# Allegro board RK3588_Template_LP4XD200P232SD8_41R0X41R0_2133MHz_H1R0_V10_20211230.brd (continued)
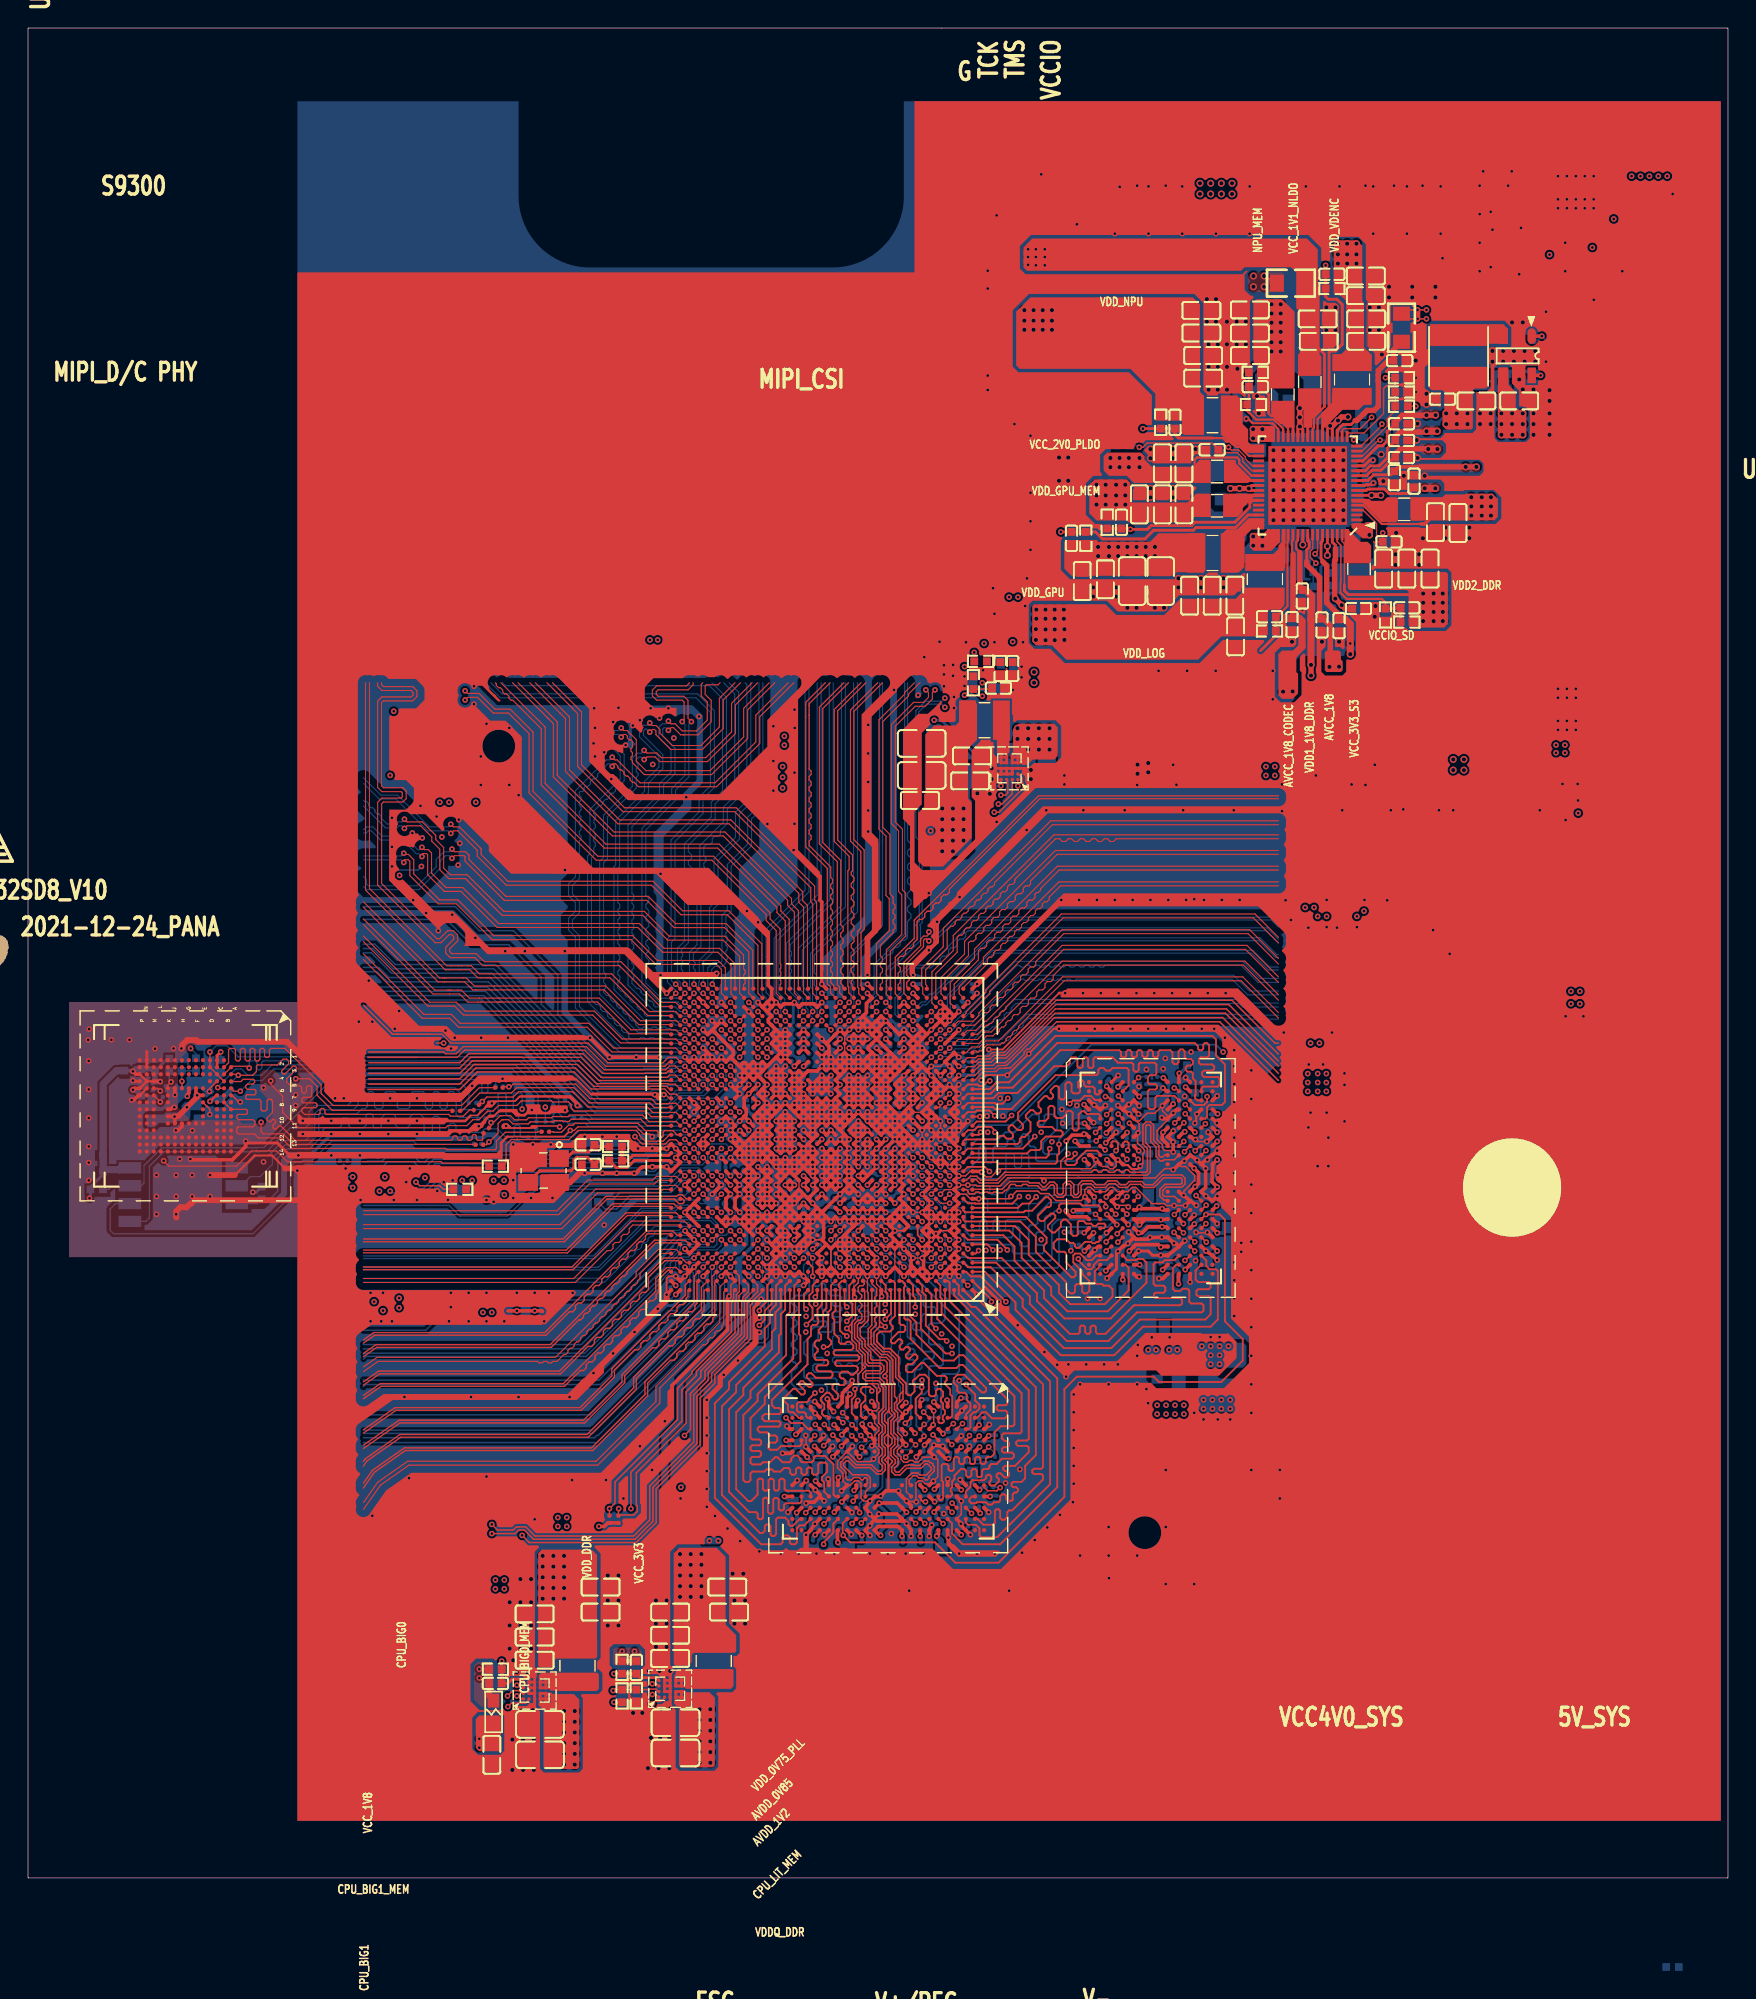
[diagram p0: board, top side]
## Routing (per net, layer and track width the routed paths; a pad name or vN(x,y) marks a point on that pad's centre or on a via; arc(x,y) is an arc through that point) (continued)
  L6-S2 w0.102: 54.75,26.92 54.61,26.92 53.44,28.09 ; 54.75,26.92 53.95,27.73 53.95,28.25 53.85,28.36 53.7,28.36 53.44,28.09 ; 54.75,26.92 55.14,26.92 v1(55.4,26.67) 55.7,26.37 55.7,25.83 55.88,25.65 56.9,25.65 57.05,25.81 57.05,26.47 v1(56.68,26.84) 56.68,26.99 v1(56.06,27.61) 55.99,27.69 55.11,27.69 54.76,28.03 v1(54.76,28.3) 54.76,28.85 55.37,29.46 ; 53.98,29.97 54.86,29.97 55.37,29.46 ; 53.98,29.97 53.87,29.97 53.42,29.51 53.26,29.51 53.16,29.62 53.16,30.66 53.34,30.84 ; 53.98,29.97 v1(53.72,30.23) 53.34,30.61 53.34,30.84 ; 81.08,58.34 v1(80.98,58.34) 80.8,58.52 72.24,58.52 v1(69.22,55.5) 69.06,55.35 68.08,55.35 68.05,55.32 ; 55.37,29.46 56.06,29.46 57.27,30.67 57.27,30.71 v1(57.28,30.72) 57.32,30.72 57.42,30.82 57.42,30.83 57.94,31.35 v1(57.94,31.55) 57.6,31.88 57.05,31.88 ; 68.73,31.24 68.73,30.5 ; 68.73,31.24 68.6,31.12 67.44,31.12 67.05,30.73 v1(67.03,30.73) 66.4,30.1 65.91,30.1 65.28,30.73 v1(65.12,30.73) ; 68.73,31.24 68.73,37.6 68.13,38.19 ; v1(75.92,55.03) 75.73,55.03 75.41,54.71 74.96,54.71 v1(74.68,54.99) 74.45,54.76 73.66,54.76 v1(73.61,54.71) ; 54.48,41.04 54.48,40.26 53.59,39.37 53.59,38.35 53.21,37.97 53.21,30.96 53.34,30.84 ; v1(75.87,53.77) 75.82,53.77 75.52,54.08 74.9,54.08 74.68,53.85 74.68,53.21 v1(73.91,52.45) 73.79,52.58 73,52.58 72.9,52.48 v1(72.9,52.41) 72.9,52.38 72.8,52.28 72.6,52.28 72.01,51.69 68.05,51.69 ; 68.13,38.19 68.13,33.71 67.06,32.64 67.06,32.31 67.13,32.31 67.54,31.9 68.07,31.9 v1(68.45,32.28) ; 68.13,38.19 65.4,40.93 ; 56.51,41.04 56.64,40.91 56.64,40.26 56.86,40.04 56.86,38.32 57.12,38.05 57.12,37.57 v1(56.9,37.34) 56.67,37.11 56.5,37.11 56.26,36.88 56.26,34.9 56.36,34.8 56.41,34.8 v1(56.49,34.72) 56.52,34.7 56.52,34.56 56.91,34.17 v1(56.91,34.1) 56.78,34.1 56.05,33.36 v1(56.05,33.08) 55.63,32.66 55.63,32.23 55.98,31.88 56.29,31.88 56.64,31.52 v1(56.64,31.5) 56.67,31.5 57.05,31.88 ; 63.99,41.04 64.58,40.45 65.01,40.45 67.18,38.28 67.18,33.91 66.54,33.27 v1(66.48,33.27) ; 57.05,31.88 57.05,32.79 57.35,33.1 v1(57.35,33.2) 57.45,33.2 57.79,33.53 57.79,41.01 57.81,41.04 ; 82.45,59.16 71.73,59.16 v1(69.72,57.15) 68.61,56.03 68.05,56.03 ; 53.44,28.09 52.81,28.09 52.45,28.45 52.45,38.1 52.83,38.48 52.83,39.62 53.59,40.39 53.59,41.04 ; 66.8,45.85 71.03,45.85 71.14,45.96 71.63,45.47 72.11,45.47 v1(72.14,45.44) 72.16,45.47 72.77,45.47 73.05,45.19 73.61,45.19 74.14,44.65 v1(74.24,44.65) 74.57,44.98 75.67,44.98 v1(75.95,44.7) ; 73.66,54.28 v1(73.66,53.72) 73.61,53.77 72.82,53.77 v1(72.14,53.09) 72.14,52.73 71.81,52.41 68.05,52.41 ; 68.05,42.18 68.2,42.04 69.72,42.04 70.66,41.1 75.29,41.1 v1(75.44,41.25) v1(76.33,41.25) 80.87,41.25 81.41,41.78 81.41,42.29 81.79,42.67 81.79,44.2 81.91,44.32 82.78,44.32 83.13,43.97 v1(83.13,43.95) 83.81,44.63 v1(83.86,44.63) 83.44,45.05 83.44,45.68 v1(83.17,45.95) 82.94,45.95 v1(82.35,45.36) 82.25,45.36 82.23,45.34 81.75,45.34 v1(81.59,45.18) 81.15,44.75 81.15,43.05 80.77,42.67 v1(80.52,42.67) 79.86,42.01 75.72,42.01 75.44,42.29 70.36,42.29 69.93,42.72 68.56,42.72 68.05,43.22 ; v1(70.61,29.08) 70.61,39.24 70.51,39.34 v1(70.46,39.34) 70.48,39.37 70.61,39.37 70.99,39.75 81.79,39.75 84.58,42.54 85.12,42.54 ; 68.05,46.73 73.41,46.73 73.79,46.36 v1(73.79,45.97) 74.69,45.97 75.07,45.59 75.53,45.59 v1(75.86,45.93) ; v1(66.37,28.35) 66.78,27.95 66.78,27.05 66.55,26.83 v1(66.45,26.83) 66.22,27.05 65.53,27.05 65.2,26.72 v1(65.2,25.93) 65.2,25.86 65.41,25.65 65.91,25.65 66.17,25.91 66.6,25.91 67.39,26.7 67.39,27.76 67.79,28.16 68.42,28.16 69.34,29.08 69.34,38.49 66.78,41.04 ; v1(83.21,54.38) 83.31,54.48 83.31,57.56 ; v1(82.8,58.8) 82.8,58.45
  L6-S2 w0.104: 49.35,40.88 49.51,41.04 ; 38.1,41.66 38.11,41.65 v1(38.77,41.65) ; v1(110.33,77.88) v1(109.25,77.88) ; 46.1,38.73 48.39,41.02 48.51,41.02 48.53,41.04 ; 11.18,59.31 11.37,59.5 11.76,59.5 12.85,58.42 14.91,58.42 15.12,58.63 16.13,58.63 17.73,57.03 17.73,56.33 17.46,56.06 17.08,56.06 16.88,56.26 v1(16.76,56.26) 16.82,56.31 16.82,57.11 15.89,58.04 15.37,58.04 15.11,57.78 12.18,57.78 v1(10.92,59.05) ; 30.11,59.06 30.11,59.56 v1(30.38,59.82) ; v1(85.88,42.54) v1(85.88,43.81) v1(85.88,47.62) v1(85.88,48.89) v1(85.88,50.16) v1(85.88,51.43) v1(85.88,52.7) v1(85.88,53.97) v1(85.88,55.24) v1(85.88,56.51) v1(85.88,57.78) v1(85.88,58.93) 85.85,58.93 85.22,59.56 v1(85.22,59.82) 84.96,59.82 84.45,60.33 v1(84.45,60.45) v1(83.57,60.45) v1(82.3,60.45) v1(81.03,60.45) v1(79.76,60.45) v1(78.49,60.45) v1(77.22,60.45) v1(75.95,60.45) v1(74.68,60.45) v1(73.41,60.45) 71.53,60.45 71.4,60.33 ; v1(85.88,42.54) 85.12,42.54 ; v1(85.88,42.54) v1(85.88,41.27) v1(85.88,40) ; v2(87.63,104.27) 88.52,104.27 88.9,104.65 ; 23.88,65.64 33.38,65.64 33.72,65.98 v1(33.97,65.98) v1(35.37,65.98) v1(38.21,65.98) 38.4,65.79 47.63,65.79 v1(49.02,64.39) ; 23.88,55.5 25.02,56.64 30.35,56.64 30.61,56.39 v1(31.62,56.39) 33.27,56.39 v1(33.78,56.9) 34.04,57.15 42.16,57.15 43.55,55.76 v1(44.62,55.76) ; 83.31,57.56 83.31,58.04 82.85,58.5 ; 71.37,60.33 71.1,60.33 69.36,58.59 69.36,58.58 68.8,58.02 68.79,58.02 68.23,57.46 68.2,57.46 68.05,57.32 ; 46.23,39.88 47.39,41.04 ; 70.61,26.67 v1(70.61,29.08) ; v1(37.21,52.22) v1(35.94,52.22) v1(34.54,52.22) ; 36.7,17.65 37.85,16.51 ; v1(24.51,60.96) 23.88,60.96
  L6-S2 w0.127: 44.96,40.64 45.31,40.64 45.91,40.64 46.09,40.82 46.28,40.82 47.65,42.18 47.65,42.32 47.65,42.33 47.65,42.42 v1(48.06,42.83)
  L6-S2 w0.254: 51.94,41.69 51.77,41.52 51.77,40.92 50.74,39.89 50.74,39.86 50.55,39.67 v1(50.55,36.83) 50.55,33.24 50.67,33.12 ; v1(58.46,45.43) v1(58.46,44.78) 58.46,44.78 v1(58.46,44.13) v1(58.46,43.48) 58.46,42.83 v1(58.46,42.83) ; v1(46.76,49.33) 46.71,49.28
  L6-S2 w0.305: v1(53.59,23.09) 53.59,23.8 53.61,23.81 53.61,24.24 50.67,27.18 50.67,33.12
  L6-S2 w0.406: 23.88,33.4 36.07,33.4 36.9,34.23 v1(38.55,34.23) 41.47,34.23 45.97,38.73 46.1,38.73 ; 23.88,63.63 24,63.63 v1(24.26,63.88) 24.51,64.14 44.9,64.14 v1(45.03,64.26) ; v1(54.57,83.17) 54.47,83.27 v1(45.59,83.27) v1(44.32,83.27) ; v1(34.8,41.66) v1(36.07,41.66) v1(37.08,41.66) 38.99,41.66 44.2,46.86 45.59,46.86 46.11,47.38 v1(46.76,47.38) ; v1(32.64,41.66) v1(31.37,41.66) ; v1(44.96,58.43) 44.91,58.48 44.88,58.48 43.54,59.82 v1(40.01,59.82) v1(34.16,59.82) v1(32.26,59.82) 31.12,59.82 30.61,59.31 30.36,59.31 30.11,59.06 v1(30.11,59.04) 29.75,58.68 23.88,58.68 ; 23.88,57.91 30.86,57.91 31.38,58.43 v1(41.4,58.43) v1(43.31,58.43) ; 46.71,49.28 42.8,49.28 v1(41.91,50.17) v1(40.89,50.17) v1(39.62,50.17) ; 28.83,41.66 29.97,42.8 38.86,42.8 43.31,47.24 ; 30.07,41.66 v1(30.1,41.66) ; 33.4,46.36 33.4,46.36 ; v1(29.72,60.32) 30.35,60.96 43.63,60.96 46.04,58.55 ; 23.88,32.39 40.85,32.39 49.35,40.88 ; 44.96,40.64 v1(44.83,40.51) v1(43.18,38.86) v1(41.66,37.34) v1(40.26,35.94) 40.13,35.81 23.88,35.81 ; 23.88,34.23 26.74,34.23 26.75,34.24 v1(26.8,34.24) 26.85,34.24 26.85,34.23 v1(31.54,34.23) v1(34.92,34.23) 35.74,35.05 40.8,35.05 40.93,35.18 41.02,35.18 45.72,39.88 46.23,39.88 ; 23.88,36.7 39.85,36.7 44.55,41.4 45.34,41.4 v1(45.46,41.53) ; 34.19,45.36 33.93,45.11 23.88,45.11 ; 31.5,85.09 v1(31.75,84.84) 33.31,83.27 v1(40.31,83.27)
  BOTTOM w0.089: 46.2,48.26 47.62,48.26 47.88,48.01 C1810.2 48.68,48.64 v1(48.72,48.68) ; 50.62,46.83 50.67,46.79 v1(50.67,46.73) 51.01,46.38 51.03,46.38 51.06,46.35 C1814.2 51.07,46.35 51.07,45.72 C1802.2 ; v1(61.06,46.73) 60.88,46.54 C1201.2 60.6,46.54 v1(60.41,46.73) 60.27,46.73 C1208.2 59.91,46.73 v1(59.76,46.73) 59.58,46.54 C1205.2 59.26,46.73 v1(59.11,46.73) 58.97,46.73 C1204.2 58.61,46.73 v1(58.46,46.73) ; C1818.2 50.29,47.76 50.29,47.75 50.29,47.63 50.34,47.58 50.34,47.05 v1(50.02,46.73) 50.01,46.72 C1806.2 ; v1(50.02,52.58) 49.84,52.75 C1300.2 ; v1(64.96,42.83) 64.64,43.15 64.64,44.26 64.31,44.59 v1(64.31,44.78) v1(63.66,44.78) ; v1(62.36,45.43) 62.52,45.43 62.85,45.1 63.23,45.1 63.55,44.78 v1(63.66,44.78) ; 60.09,45.09 60.27,45.09 60.28,45.1 60.55,45.1 60.56,45.09 60.66,45.09 60.97,44.78 v1(61.06,44.78) ; 60.09,45.09 60.09,45.8 ; 60.09,45.09 60.02,45.02 60,45.02 v1(59.76,44.78) v1(60.41,44.13) ; 63.27,50.34 63.27,50.18 63.34,50.11 63.34,49.84 63.53,49.65 63.55,49.65 63.55,49.65 63.86,49.65 64.18,49.33 v1(64.31,49.33) ; v1(46.76,49.33) 46.49,49.05 C1100.2 ; C1502.2 55.56,45.77 v1(55.87,46.08) 55.54,46.41 C1907.2 ; v1(55.21,42.83) 55.21,43.61 55.54,43.93 55.54,44.26 55.55,44.27 55.55,44.45 55.73,44.45 55.73,44.45 56,44.45 56,44.45 56.19,44.45 v1(56.51,44.13) ; C1206.2 62.36,48.54 v1(62.36,48.68) ; v1(57.81,42.83) 57.68,42.83 57.48,43.03 57.48,44.44 v1(57.81,44.78) v1(57.81,45.43) ; v1(47.41,43.48) 47.55,43.34 47.55,42.49 47.79,42.25 47.79,41.18 47.65,41.04 ; v1(64.31,49.98) 64.18,50.11 64.04,50.11 63.85,50.3 63.53,50.3 63.49,50.34 63.37,50.34 ; 48.39,41.34 48.39,42.5 v1(48.06,42.83) ; 64.14,45.61 v1(64.31,45.43) ; 57.4,63.63 57.4,63.63 ; v1(63.66,44.78) v1(63.66,44.13) 63.99,43.8 65.29,43.8 v1(66.26,42.83) ; R1719.2 67.19,63.63 v1(67.56,63.63) ; C1512.2 57.91,62.92 ; v1(47.41,45.43) 47.38,45.47 47.08,45.47 47.06,45.48 46.47,45.48 46.45,45.47 46.36,45.47 45.72,44.83 45.72,44.8 45.12,44.2 ; v1(53.92,55.18) v1(54.57,55.18) ; v1(61.06,49.98) 60.38,49.98 C1215.2 ; v1(46.78,46.07) 46.69,45.97 46.47,45.97 46.41,45.92 45.75,45.92 45.24,45.4 ; v1(64.31,46.73) 64.24,46.73 63.67,47.3 v1(63.67,47.38) ; v1(51.97,51.93) 52.07,52.03 C1029.2 ; 56.41,53.88 v1(56.52,53.88) ; v1(58.46,44.13) 58.6,43.99 58.68,43.99 58.98,43.69 58.98,43.61 v1(59.11,43.48) ; v1(53.27,55.18) v1(52.62,55.18)
  BOTTOM w0.102: v1(59.97,33.17) 59.97,33.02 59.39,32.44 v1(59.39,32.31) 59.39,32.05 v1(59.94,31.5) 59.47,31.04 59.21,31.04 58.89,30.72 v1(58.69,30.72)
  BOTTOM w0.104: v1(31.75,83.57) 32.26,83.57 32.39,83.69 ; 48.39,41.34 48.52,41.21 48.52,40.83 48.39,40.7 ; v1(35.87,54.67) 35.87,55.7 34.28,57.29 20.2,57.29 19.18,56.26 17.66,56.26 17.46,56.06 16.82,56.06 16.26,55.5 15.37,55.5 v1(15.11,55.25) ; 32.19,45.97 32.06,46.1 23.88,46.1 ; 23.88,46.61 34.49,46.61 35.12,45.97 ; v1(25.91,72.01) 26.16,71.75 27.75,71.75 v1(28.01,72.01) ; 41.15,40.62 41.54,40.62 45.12,44.2 ; v1(37.21,52.22) 37.45,52.45 39.3,52.45 v1(39.62,52.77) ; 64.14,81.92 64.14,82.82 64.28,82.96 64.8,82.96 65.07,82.69 65.55,82.69 65.93,83.08 v1(65.93,83.29) ; 45.85,39.5 46.11,39.5 47.65,41.04 ; 39.81,49.78 35.31,49.78 34.8,49.28 33.15,49.28 33.15,49.28 32.99,49.28 32.99,49.28 30.61,49.28 v1(30.23,49.66) ; v1(4.32,49.66) 4.45,49.78 C4300.2 4.45,50.8 v1(4.32,50.93) 4.45,51.05 C4301.2 4.45,51.94 v1(4.32,52.07) ; C2317.2 73.09,77.79 v1(73.79,78.49) ; v1(33.91,39.62) v1(32.64,39.62) v1(31.37,39.62) v1(29.97,39.62) ; 91.82,95.83 91.69,95.83 ; v1(10.45,55.75) 10.45,55.75 10.28,55.75 C4005.2 ; v1(63.01,64.28) 63.35,64.28 R1406.2
  BOTTOM w0.127: v1(55.22,42.18) v1(55.22,42.83)
  BOTTOM w0.152: v1(45.46,41.53) 45.34,41.65 45.34,42.16 R1801.2
  BOTTOM w0.203: 61.66,67.5 59.56,65.41 59.56,64.48 ; v1(54.57,62.33) 54.48,62.25 54.48,60.89 C1605.2 ; 59.56,64.48 v1(59.76,64.28) ; 59.56,64.48 59.56,64.33 59.51,64.28 ; 33.4,51.85 28.48,51.85 28.16,51.52 ; 33.4,51.85 34.18,51.85 v1(34.54,52.22) ; 33.4,51.85 33.4,52.7 33.15,52.95 32.65,52.95 32.42,52.72 32.4,52.72 32.38,52.7 27.95,52.7 v1(27.69,52.96) v1(25.65,52.96) v1(23.62,52.96) v1(21.59,52.96) 20.07,51.44 19.45,51.44 19.45,51.44 v1(19.24,51.44) ; 28.16,51.52 27.87,51.52 27.29,52.1 24.29,52.1 v1(23.62,51.44) 23.18,51.88 22.03,51.88 v1(21.59,51.44) 21.08,51.44 20.39,50.74 19.86,50.74 19.6,50.48 19.29,50.48 v1(19.17,50.36) ; 28.16,51.52 28.07,51.44 ; v1(56.52,62.33) 56.68,62.16 C1512.2 ; 57.4,63.63 v1(56.52,63.63)
  BOTTOM w0.254: v1(10.92,59.05) 10.94,59.07 ; 10.94,59.07 R4004.2 ; 10.94,59.07 10.84,59.17 10.48,59.17 v1(10.36,59.05) ; C3814.2 75.94,51.06 v1(76.02,51.13) ; C3855.2 62.51,26.86 v1(62.55,26.83) ; C3855.2 61.03,26.86 v1(60.71,27.18) ; C3855.2 61.47,27.05 v1(61.98,27.56) ; C1213.2 58.29,49.6 58.29,49.08 C1227.2 ; R1405.2 59.51,64.28 v1(59.76,64.28) ; v1(56.51,44.13) v1(56.51,43.48) v1(56.51,42.83) ; C1410.2 62.16,60.58 v1(62.36,60.38) 61.93,59.94 C1408.2 ; v1(64.34,25.12) 64.34,25.32 64.16,25.5 C3874.2 ; C3876.2 55.37,24.4 v1(55.4,24.43) ; v1(66.26,61.68) 66.26,61.91 66.12,62.05 ; v1(58.46,58.43) 58.49,58.43 C1407.2 58.8,58.69 59.07,58.43 v1(59.11,58.43) 59.12,58.43 C1406.2 ; C3825.2 v1(79.88,45.59) ; C3833.2 75.82,45.89 v1(75.86,45.93) ; v1(62.87,24.33) 62.81,24.27 C3865.2 ; v1(63.01,57.13) 63.19,56.95 C1738.2 C1729.2 63.19,56 v1(63.01,55.82) 63.19,55.65 C1714.2 63.19,55.35 v1(63.01,55.17) 62.82,54.98 C1301.2 ; C3831.2 76.35,42.78 76.73,42.78 v1(76.82,42.69) ; v1(66.41,25.21) 66.24,25.21 66.04,25.02 ; v1(58.46,44.78) v1(59.11,44.78) v1(59.76,44.78) ; v1(58.46,44.78) v1(57.81,44.78) v1(57.81,45.43) ; v1(58.46,44.78) v1(58.46,45.43) v1(57.81,45.43) ; v1(58.46,44.78) 58.46,44.78 v1(58.46,44.13) ; C3859.2 61.98,32.64 v1(62.51,33.17) ; C3821.2 79.83,46.91 C3807.2 79.17,46.89 79.17,46.53 v1(79.14,46.5) ; C3813.2 81.41,57.66 80.87,57.66 v1(80.82,57.61) ; v1(57.16,53.88) 56.98,54.06 C1041.2 56.7,54.06 v1(56.52,53.88) ; C3847.2 64.26,30.35 ; 64.26,30.35 64.26,30.22 v1(64.52,29.95) 64.58,29.89 C3854.2 64.58,28.57 64.46,28.45 v1(64.46,28.25) 64.16,28.25 C3861.2 ; 64.26,30.35 64.26,30.57 64.49,30.8 v1(64.49,30.81) ; 58.25,31.15 57.94,31.47 ; 57.94,31.47 v1(58.69,30.72) 58.54,30.58 C3850.2 ; 57.94,31.47 v1(57.94,31.55) ; C3848.2 64.67,35.18 v1(64.64,35.2) ; v1(65.53,24.23) 65.41,24.35 65.41,24.38 65.3,24.49 C3853.2 ; v1(56.7,24.43) 56.78,24.51 57.15,24.51 ; v1(55.37,30.7) 55.34,30.73 C3885.2 ; C1212.2 61.31,48.44 v1(61.06,48.68) 60.74,48.35 C1229.2 60.44,48.66 v1(60.41,48.68) ; C3817.2 77.34,50.88 v1(77.59,51.13) ; v1(66.37,28.35) 66.21,28.19 C3887.2 65.67,28.19 v1(65.47,28.39) ; v1(64.26,74.55) 64.39,74.42 64.39,70.36 v1(64.14,70.1) ; v1(45.47,62.98) 45.03,63.41 v1(45.03,64.26) 45.03,64.32 ; v1(59.11,42.83) v1(59.11,43.48) ; v1(61.06,46.73) 61.27,46.52 C1207.2 61.72,46.09 v1(61.71,46.08) v1(62.36,45.43) ; v1(47.42,58.43) v1(46.77,58.43) v1(44.96,58.43) ; v1(68.4,26.03) 68.23,26.2 C3875.2 68.7,26.44 C3867.2 ; C3864.2 59.86,24.3 v1(59.94,24.38) ; v1(65.61,57.78) v1(66.26,58.43) 66.54,58.43 R1730.2 ; v1(65.61,57.78) 65.79,57.6 C1741.2 65.79,57.31 v1(65.61,57.13) ; v1(65.61,57.78) 65.59,57.78 65.54,57.83 64.37,57.83 v1(64.31,57.78) 64.49,57.6 C1731.2 64.49,57.31 v1(64.31,57.13) 64.49,56.95 C1732.2 64.49,56.66 v1(64.31,56.48) 64.49,56.3 C1716.2 64.64,56.15 v1(64.97,55.83) 64.87,55.83 C1717.2 ; 60.22,30.25 60.22,29.84 v1(60.2,29.82) 59.59,29.21 C3856.2 ; 60.22,30.25 C3868.2 ; 60.22,30.25 60.22,30.61 v1(60.07,30.76) ; v1(59.11,60.38) 59.26,60.53 C1404.2 ; C3880.2 56.78,30.23 v1(57.28,30.72) ; R1401.2 63.66,59.27 v1(63.66,59.08) 63.58,59.08 63.12,58.62 C1742.2 62.55,58.62 v1(62.36,58.43) 62.23,58.43 62.03,58.63 R1400.2 ; v1(41.02,46.48) 41.47,46.48 43.25,48.26 46.2,48.26 ; C3820.2 75.35,48.09 75.35,48.39 v1(75.25,48.49) ; v1(84.68,48.54) 84.69,48.54 85.07,48.54 C3823.2 ; v1(80.64,46.86) 81.07,46.86 C3805.2 ; C3869.2 68.88,28.83 v1(69.6,28.12) ; v1(54.1,26.03) 53.63,25.56 C3870.2 ; C1404.2 59.11,60.85 v1(59.11,61.03) ; C1404.2 59.62,60.53 v1(59.76,60.38) 59.93,60.54 C1400.2 ; C1605.2 54.27,60.68 54.27,60.68 53.96,60.38 v1(53.92,60.38) ; C3806.2 v1(73.66,53.72) ; C3878.2 68.45,32.64 v1(68.45,32.28) 68.7,32.02 C3863.2 ; v1(65.61,56.48) 65.4,56.26 C1740.2 ; C3849.2 58.55,25.91 v1(58.66,26.02) ; v1(80.64,44.32) 80.72,44.4 81.13,44.4 C3836.2 ; C3832.2 81.79,44.98 v1(81.59,45.18) ; C3884.2 66.17,31.75 v1(66.45,31.48) ; v1(55.87,49.33) 56.04,49.5 C1023.2 56.04,49.8 v1(55.87,49.98) ; C3882.2 66.48,33.32 v1(66.48,33.27) ; v1(60.41,44.13) v1(60.41,43.48) v1(60.41,42.83) v1(59.76,42.83) ; v1(83.03,47.19) 83.2,47.37 C3838.2 ; v1(74.24,44.65) 74.3,44.71 C3839.2 ; v1(63.37,84.2) 63.37,84.84 63.63,85.09 ; C3886.2 55.72,33.08 v1(56.05,33.08) ; C3872.2 66.61,30.16 67.03,30.58 v1(67.03,30.73) ; v1(61.06,56.48) 61.04,56.48 60.99,56.53 ; 64.14,45.61 64.14,46.55 v1(64.31,46.73) ; C1227.2 58.4,48.68 v1(57.81,48.68) ; C1227.2 58.74,48.64 59.11,48.64 ; C3857.2 54.76,27.91 v1(54.76,28.3) 54.8,28.33 C3871.2 54.23,29.78 C3860.2 53.72,30.23 v1(53.72,30.23) ; C3877.2 55.63,27.18 v1(56.06,27.61) 56.24,27.44 C3879.2 ; v1(57.81,45.43) 58.26,45.87 C1219.2 ; C3866.2 65.15,30.69 v1(65.12,30.73) ; v1(64.17,24.33) 64.08,24.24 C3862.2 ; v1(55.21,42.83) v1(53.92,42.83) ; C1403.2 60.11,58.74 60.41,58.44 v1(60.41,58.43) ; C3852.2 58.31,34.61 58.36,34.61 v1(58.52,34.44) ; v1(39.12,54.99) 39.07,54.99 39.07,55.13 38.36,55.83 38.32,55.83 38.2,55.95 38.17,55.95 35.08,59.04 33.67,59.04 ; C1613.2 C1611.2 56.29,59.95 v1(56.52,59.73) 56.49,59.73 C1602.2 56.06,58.74 C1609.2 56.38,58.43 v1(56.52,58.43) ; v1(56.68,26.84) 56.95,26.57 C3881.2 ; C3858.2 58.3,27.93 v1(57.92,27.55) ; C3804.2 v1(73.79,45.97) ; C3822.2 82.42,42.74 v1(82.74,42.42) ; v1(82.42,56.98) 82.89,56.98 C3827.2 ; v1(55.22,42.18) 54.34,42.18 ; C1505.2 66.51,56.48 v1(66.26,56.48)
  BOTTOM w0.305: C3816.2 81,54.13 v1(80.72,54.13)
  BOTTOM w0.381: v1(59.11,48.68) 59.11,48.64 59.27,48.79 59.84,48.79 C1226.2 60.27,48.82 v1(60.41,48.68) ; v1(7.47,56.77) 7.54,56.69 C4003.2 ; v1(7.37,55.38) 7.96,54.79 C4002.2 ; C4001.2 v1(9.04,59.04) ; v1(12.94,54.35) 12.62,54.03 C4006.2
  BOTTOM w0.406: 23.88,32.39 40.08,32.39 48.39,40.7 ; 47.75,82.68 47.73,82.68 47.13,83.27 v1(45.59,83.27) ; 47.75,82.68 47.75,82.69 v1(47.77,82.69) ; 47.75,82.68 47.83,82.59 47.83,78.06 46.86,77.09 v1(46.86,76.94) 46.86,76.2 45.03,74.37 v1(45.03,71.49) 45.03,64.32 ; v1(35.81,48.41) 35.81,48.26 34.29,46.73 30.35,46.73 29.72,47.37 23.88,47.37 ; U4300.4 16.26,46.74 18.22,48.7 18.22,50.23 18.23,50.23 18.23,51.03 18.63,51.44 v1(19.24,51.44) ; v1(44.83,40.51) 44.54,40.51 44.33,40.72 43.9,40.72 39.88,36.7 24.51,36.7 23.88,36.07 ; v1(19.17,50.36) 19.17,49.7 19.12,49.65 19.12,49.15 19.17,49.11 19.17,48.38 16.2,45.41 6.21,45.41 ; v1(30.66,75.34) 30.66,78.43 28.52,80.58 28.52,80.08 26.29,77.85 25.53,77.85 23.88,79.5 ; 34.91,39.62 v1(36.75,39.62) 40.15,39.62 41.15,40.62 ; 23.88,45.04 39.58,45.04 v1(41.02,46.48) ; v1(34.54,48.41) 33.66,47.52 31.09,47.52 30.35,48.26 v1(29.89,48.26) v1(27.69,48.26) v1(26.04,48.26) 23.88,48.26 ; v1(35.37,65.98) 34.42,66.93 v1(31.85,66.93) v1(30.2,68.58) 30.09,68.69 v1(28.34,68.69) 23.88,68.69 ; 23.88,34.23 26.74,34.23 26.75,34.24 v1(26.8,34.24) 26.85,34.24 26.85,34.23 v1(31.54,34.23) v1(34.92,34.23) v1(38.55,34.23) 40.58,34.23 45.85,39.5 ; 23.88,41.66 v1(24.38,41.66) v1(25.27,41.66) ; v1(33.97,65.98) 31.39,65.98 29.86,67.51 29.28,67.51 v1(29.21,67.44) 28.87,67.77 23.88,67.77 ; v1(51.97,62.33) 51.97,62.46 51.51,62.92 51.51,67.57 54.57,70.63 v1(54.57,75.05) v1(54.57,78.69) v1(54.57,83.17) 54.57,85.09 ; v1(29.97,39.62) 28.83,38.48 23.88,38.48 ; v1(31.37,41.66) v1(32.64,41.66) v1(34.8,41.66) v1(36.07,41.66) v1(37.08,41.66) 41.27,41.66 41.28,41.66 41.5,41.66 45.24,45.4 ; 57.15,64.14 57.15,65.53 59.82,68.2 v1(59.82,74.5) v1(59.82,75.99) v1(59.82,78.03) v1(59.82,80.06) ; 53.07,85.09 v1(53.07,81.99) v1(53.07,79.52) v1(53.07,77.41) 53.07,75.89 52.64,75.47 v1(52.64,75.04) 52.64,70.3 v1(51.18,68.83) 50.55,68.2 50.55,64.14 49.37,62.95 v1(49.37,62.33) ; v1(85.22,59.82) 85.59,60.19 89.03,60.19 ; v1(44.96,58.43) v1(43.31,58.43) v1(41.4,58.43) 41.39,58.43 38.21,61.61 v1(38.21,65.98) 36.2,68 36.2,72.85 35.55,73.5 31.66,69.61 v1(27.42,69.61) 23.88,69.61 ; 61.66,85.09 v1(61.66,84.58) 61.66,67.5 ; v1(31.75,84.84) 32.07,84.52 32.07,84.01 32.39,83.69 32.89,83.69 33.31,83.27 v1(40.31,83.27) v1(44.32,83.27) ; 33.67,59.04 v1(30.11,59.04) 29.95,59.04 29.81,58.91 17.04,58.91 16,59.94 9.94,59.94 v1(9.04,59.04)
  vias: v1(4.35,60.43) v1(4.28,59.66) v1(4.32,58.17) v1(4.32,56.13) v1(4.32,54.1) v1(5.93,59.66) v1(7.22,59.66) v1(9.14,50.04) v1(9.14,48.51) v1(9.14,47.24) v1(10.54,50.04) v1(10.54,48.51) v1(10.54,47.24) v1(10.8,51.18) v1(11.7,53.21) v1(11.68,50.04) v1(11.68,48.51) v1(12.95,48.51) v1(16.76,50.98) v1(19.05,55.75) v1(19.05,54.99) v1(19.56,53.91) v1(23.55,60.96) v1(23.67,48.26) v1(25.91,75.47) v1(25.91,73.41) v1(26.92,49.54) v1(27.12,28.46) v1(27.36,74.39) v1(27.94,76.33) v1(28.07,74.04) v1(29.08,75.56) v1(29.13,48.91) v1(29.46,74.11) v1(29.59,49.53) v1(30.1,40.64) v1(30.62,72.11) v1(30.73,73.66) v1(32.23,79.84) v1(32.23,77.81) v1(32.64,82.17) v1(33.15,48.13) v1(34.26,81.87) v1(34.26,77.81) v1(36.07,25.53) v1(38.23,71.75) v1(40.36,81.87) v1(40.36,79.84) v1(42.04,83.31) v1(42.39,27.01) v1(43.05,82.04) v1(44.42,29.04) v1(44.96,82.58) v1(46.46,27.01) v1(51.32,51.28) v1(51.97,47.38) v1(52.07,39.88) v1(53.92,44.78) v1(54.58,81.87) v1(55.21,46.73) v1(55.39,39.98) v1(55.37,38.86) v1(56.52,57.78) v1(57.16,58.43) v1(58.29,40.13) v1(61.06,57.78) v1(61.03,40.33) v1(61.47,24.51) v1(61.71,53.88) v1(62.74,20.45) v1(63.17,40.13) v1(63.65,35.43) v1(63.81,86.92) v1(64.9,88.01) v1(65.05,38.73) v1(65.21,86.33) v1(65.21,85.68) v1(65.79,37.85) v1(66.29,35.41) v1(66.67,85.54) v1(66.68,84.86) v1(66.78,87.97) v1(67.99,85.98) v1(68.2,44.68) v1(68.33,113.16) v1(68.33,106.96) v1(68.33,105.93) v1(68.27,54.25) v1(68.33,53.09) v1(68.81,90) v1(68.81,87.97) v1(68.96,118.36) v1(69.41,54.24) v1(69.85,20.45) v1(70.1,84.58) v1(70.23,103.5) v1(70.74,86.23) v1(70.74,85.47) v1(70.84,87.97) v1(70.99,90.55) v1(71.12,92.52) v1(71.22,48.49) v1(72.14,121.28) v1(73.79,77.85) v1(74.9,35.14) v1(74.9,22.95) v1(76.94,35.14) v1(76.94,24.98) v1(76.94,22.95) v1(76.96,21.34) v1(77.38,117.06) v1(77.72,120.4) v1(78.97,120.48) v1(78.97,77.81) v1(78.97,37.17) v1(78.97,35.14) v1(78.97,22.95) v1(79.63,57.56) v1(79.63,34.8) v1(79.75,33.8) v1(79.78,120.43) v1(79.78,117.06) v1(80.49,85.94) v1(81,120.48) v1(81,29.04) v1(81,24.98) v1(81,20.91) v1(81.53,79.25) v1(82.18,120.43) v1(82.18,117.06) v1(82.35,55.65) v1(82.52,85.94) v1(83.03,69.68) v1(83.03,33.11) v1(83.03,20.91) v1(83.69,32.64) v1(84.56,85.94) v1(84.58,117.06) v1(84.71,32.64) v1(85.6,32.64) v1(86.38,45.21) v1(86.38,44.58) v1(86.98,120.43) v1(86.98,117.06) v1(87.1,57.49) v1(87.1,55.46) v1(87.1,49.36) v1(87.1,47.33) v1(87.1,45.3) v1(87.1,43.27) v1(87.1,41.23) v1(87.1,39.2) v1(87.1,37.17) v1(87.1,35.14) v1(87.1,33.11) v1(87.1,29.04) v1(88.62,85.94) v1(88.62,83.91) v1(89.13,29.04) v1(89.13,27.01) v1(89.28,77.85) v1(89.28,75.95) v1(89.41,60.19) v1(89.53,69.6) v1(89.92,68.2) v1(90.98,120.43) v1(91.16,67.65) v1(91.16,53.43) v1(91.19,57.91) v1(91.31,54.48) v1(91.69,78.49) v1(91.82,50.67) v1(92.2,57.91) v1(92.46,69.63) v1(92.46,67.69) v1(92.46,54.48) v1(92.58,52.71) v1(92.58,50.67) v1(92.84,60.19) v1(93.19,67.65) v1(93.38,120.43) v1(93.57,76.01) v1(93.73,57.28) v1(93.73,56.46) v1(93.73,53.86) v1(94.23,77.85) v1(94.62,67.69) v1(95.15,69.63) v1(95.22,120.48) v1(95.22,77.81) v1(95.78,120.43) v1(95.78,117.06) v1(95.88,79.25) v1(96.77,69.6) v1(97.03,76.01) v1(97.26,120.48) v1(97.92,76.07) v1(98.18,120.43) v1(98.18,117.06) v1(99.29,120.48) v1(100.04,67.48) v1(100.58,120.43) v1(100.58,117.06) v1(100.71,115.32) v1(103.35,120.48) v1(103.35,118.45) v1(103.35,116.42) v1(103.35,114.39) v1(103.61,121.5) v1(104.14,118.62) v1(104.14,114.68) v1(104.27,117.35) v1(105.38,120.48) v1(105.64,121.5) v1(106.17,114.17) v1(106.3,117.48) v1(108.08,111.51) v1(108.08,107.95) v1(108.93,121.16) v1(108.93,119.51) v1(108.93,118.87) v1(108.93,84.66) v1(108.93,84.02) v1(108.93,82.37) v1(108.93,81.74) v1(109.45,116.42) v1(109.45,114.39) v1(109.47,61.34) v1(109.57,121.16) v1(109.57,119.51) v1(109.57,118.87) v1(109.57,84.66) v1(109.57,84.02) v1(109.57,82.37) v1(109.57,81.74) v1(110.2,121.16) v1(110.2,119.51) v1(110.2,118.87) v1(110.2,84.66) v1(110.2,84.02) v1(110.2,82.37) v1(110.2,81.74) v1(110.36,76.71) v1(110.74,61.34) v1(110.84,121.16) v1(110.84,119.51) v1(110.84,118.87) v1(111.47,121.16) v1(111.47,119.51) v1(111.47,118.87) v1(111.48,112.35) v1(113.51,114.39) v1(117.09,119.89) v2(34.29,19.62) v2(34.29,17.97) v2(34.29,16.32) v2(34.54,15.49) v2(34.48,9.84) v2(34.48,7.68) v2(34.8,14.63) v2(35.05,21.27) v2(35.05,19.62) v2(35.05,17.97) v2(35.05,16.32) v2(35.17,11.94) v2(35.24,9.84) v2(35.24,7.68) v2(35.81,21.27) v2(35.81,19.62) v2(35.81,17.97) v2(35.81,16.32) v2(36.01,9.84) v2(36.01,7.68) v2(41.27,21.53) v2(41.27,19.75) v2(41.27,17.97) v2(42.04,21.53) v2(42.04,19.75) v2(42.04,17.97) v2(43.08,11.75) v2(43.73,11.75) v2(44.13,7.81) v2(44.2,14.73) v2(44.35,9.97) v2(44.7,19.75) v2(44.7,18.1) v2(44.7,16.45) v2(44.9,7.81) v2(45,9.97) v2(45.08,12.07) v2(45.47,19.75) v2(45.47,18.1) v2(45.47,16.45) v2(45.66,9.97) v2(45.66,7.81) v2(50.16,21.65) v2(50.29,19.75) v2(50.29,18.1) v2(50.93,21.65) v2(51.05,19.75) v2(51.05,18.1) v2(67.59,77.22) v2(68.48,77.18) v2(68.61,78.23) v2(71.4,78.23) v2(73.41,101.12) v2(73.41,99.47) v2(74.06,101.12) v2(74.06,99.47) v2(75.83,91.87) v2(75.83,91.22) v2(77.48,91.87) v2(77.48,91.22) v2(78.27,90.42) v2(78.92,90.42) v2(79,79.26) v2(78.99,78.61) v2(79.64,91.87) v2(79.64,91.22) v2(79.76,79.38) v2(79.76,78.71) v2(79.91,101.73) v2(79.91,101.07) v2(79.91,98.93) v2(79.91,98.28) v2(80.23,90.42) v2(80.88,90.42) v2(81.52,101.73) v2(81.52,101.07) v2(81.52,98.93) v2(81.52,98.28) v2(81.9,92.52) v2(81.9,91.87) v2(83.51,92.52) v2(83.51,91.87) v2(83.93,112.4) v2(83.93,110.79) v2(84.06,109.19) v2(84.06,107.58) v2(84.06,105.95) v2(84.58,112.4) v2(84.58,110.79) v2(84.71,109.19) v2(84.71,107.58) v2(84.71,105.95) v2(85.12,92.52) v2(85.12,91.87) v2(85.36,110.79) v2(85.36,109.19) v2(85.36,107.58) v2(85.36,105.95) v2(86.06,110.8) v2(86.06,109.18) v2(86.11,107.44) v2(86.71,110.8) v2(86.71,109.18) v2(87.5,105.5) v2(88.67,101.64) v2(88.67,100.93) v2(88.67,100.22) v2(88.67,99.51) v2(88.67,98.8) v2(88.67,98.09) v2(88.67,97.38) v2(88.67,96.67) v2(89.38,101.64) v2(89.38,100.93) v2(89.38,100.22) v2(89.38,99.51) v2(89.38,98.8) v2(89.38,98.09) v2(89.38,97.38) v2(89.38,96.67) v2(90.09,101.64) v2(90.09,100.93) v2(90.09,100.22) v2(90.09,99.51) v2(90.09,98.8) v2(90.09,98.09) v2(90.09,97.38) v2(90.09,96.67) v2(90.8,101.64) v2(90.8,100.93) v2(90.8,100.22) v2(90.8,99.51) v2(90.8,98.8) v2(90.8,98.09) v2(90.8,97.38) v2(90.8,96.67) v2(91.52,101.64) v2(91.52,100.93) v2(91.52,100.22) v2(91.52,99.51) v2(91.52,98.8) v2(91.52,98.09) v2(91.52,97.38) v2(91.52,96.67) v2(92.23,101.64) v2(92.23,100.93) v2(92.23,100.22) v2(92.23,99.51) v2(92.23,98.8) v2(92.23,98.09) v2(92.23,97.38) v2(92.23,96.67) v2(92.44,111.82) v2(92.44,110.2) v2(92.94,101.64) v2(92.94,100.93) v2(92.94,100.22) v2(92.94,99.51) v2(92.94,98.8) v2(92.94,98.09) v2(92.94,97.38) v2(92.94,96.67) v2(93.09,111.82) v2(93.09,110.2) v2(93.65,101.64) v2(93.65,100.93) v2(93.65,100.22) v2(93.65,99.51) v2(93.65,98.8) v2(93.65,98.09) v2(93.65,97.38) v2(93.65,96.67) v2(95.53,111.82) v2(95.53,110.2) v2(95.94,90.55) v2(95.88,89.79) v2(96.18,111.82) v2(96.18,110.2) v2(96.34,101.35) v2(96.5,99.44) v2(96.9,113.28) v2(96.9,112.52) v2(97.36,94.23) v2(97.36,93.47) v2(97.41,95.76) v2(97.96,99.82) v2(98.55,113.28) v2(98.55,112.52) v2(98.87,102.36) v2(98.93,101.09) v2(99.05,94.23) v2(99.05,93.47) v2(99.31,95.38) v2(99.44,99.82) v2(99.57,105.66) v2(99.57,104.9) v2(100.2,113.28) v2(100.2,112.52) v2(100.9,96.14) v2(100.9,95.38) v2(102.62,96.14) v2(102.62,95.38) v2(103.38,104.27) v2(103.38,103.5) v2(104.14,104.27) v2(104.14,103.5) v2(104.27,108.71) v2(104.27,107.95) v2(105.03,108.71) v2(105.03,107.95) v2(105.66,110.74) v2(105.79,108.71) v2(105.79,107.95) v2(106.17,106.68) v2(106.43,110.74) v2(106.55,108.71) v2(106.55,107.95) v2(107.19,102.74) v2(107.31,108.71) v2(107.31,107.95) v2(108.33,105.92) v2(108.33,105.16) v2(108.33,104.27) v2(108.33,103.5) v2(108.33,102.74)
